# Altium PCB 3-as-manufactured.PcbDoc (part 12 of 16) (continued)
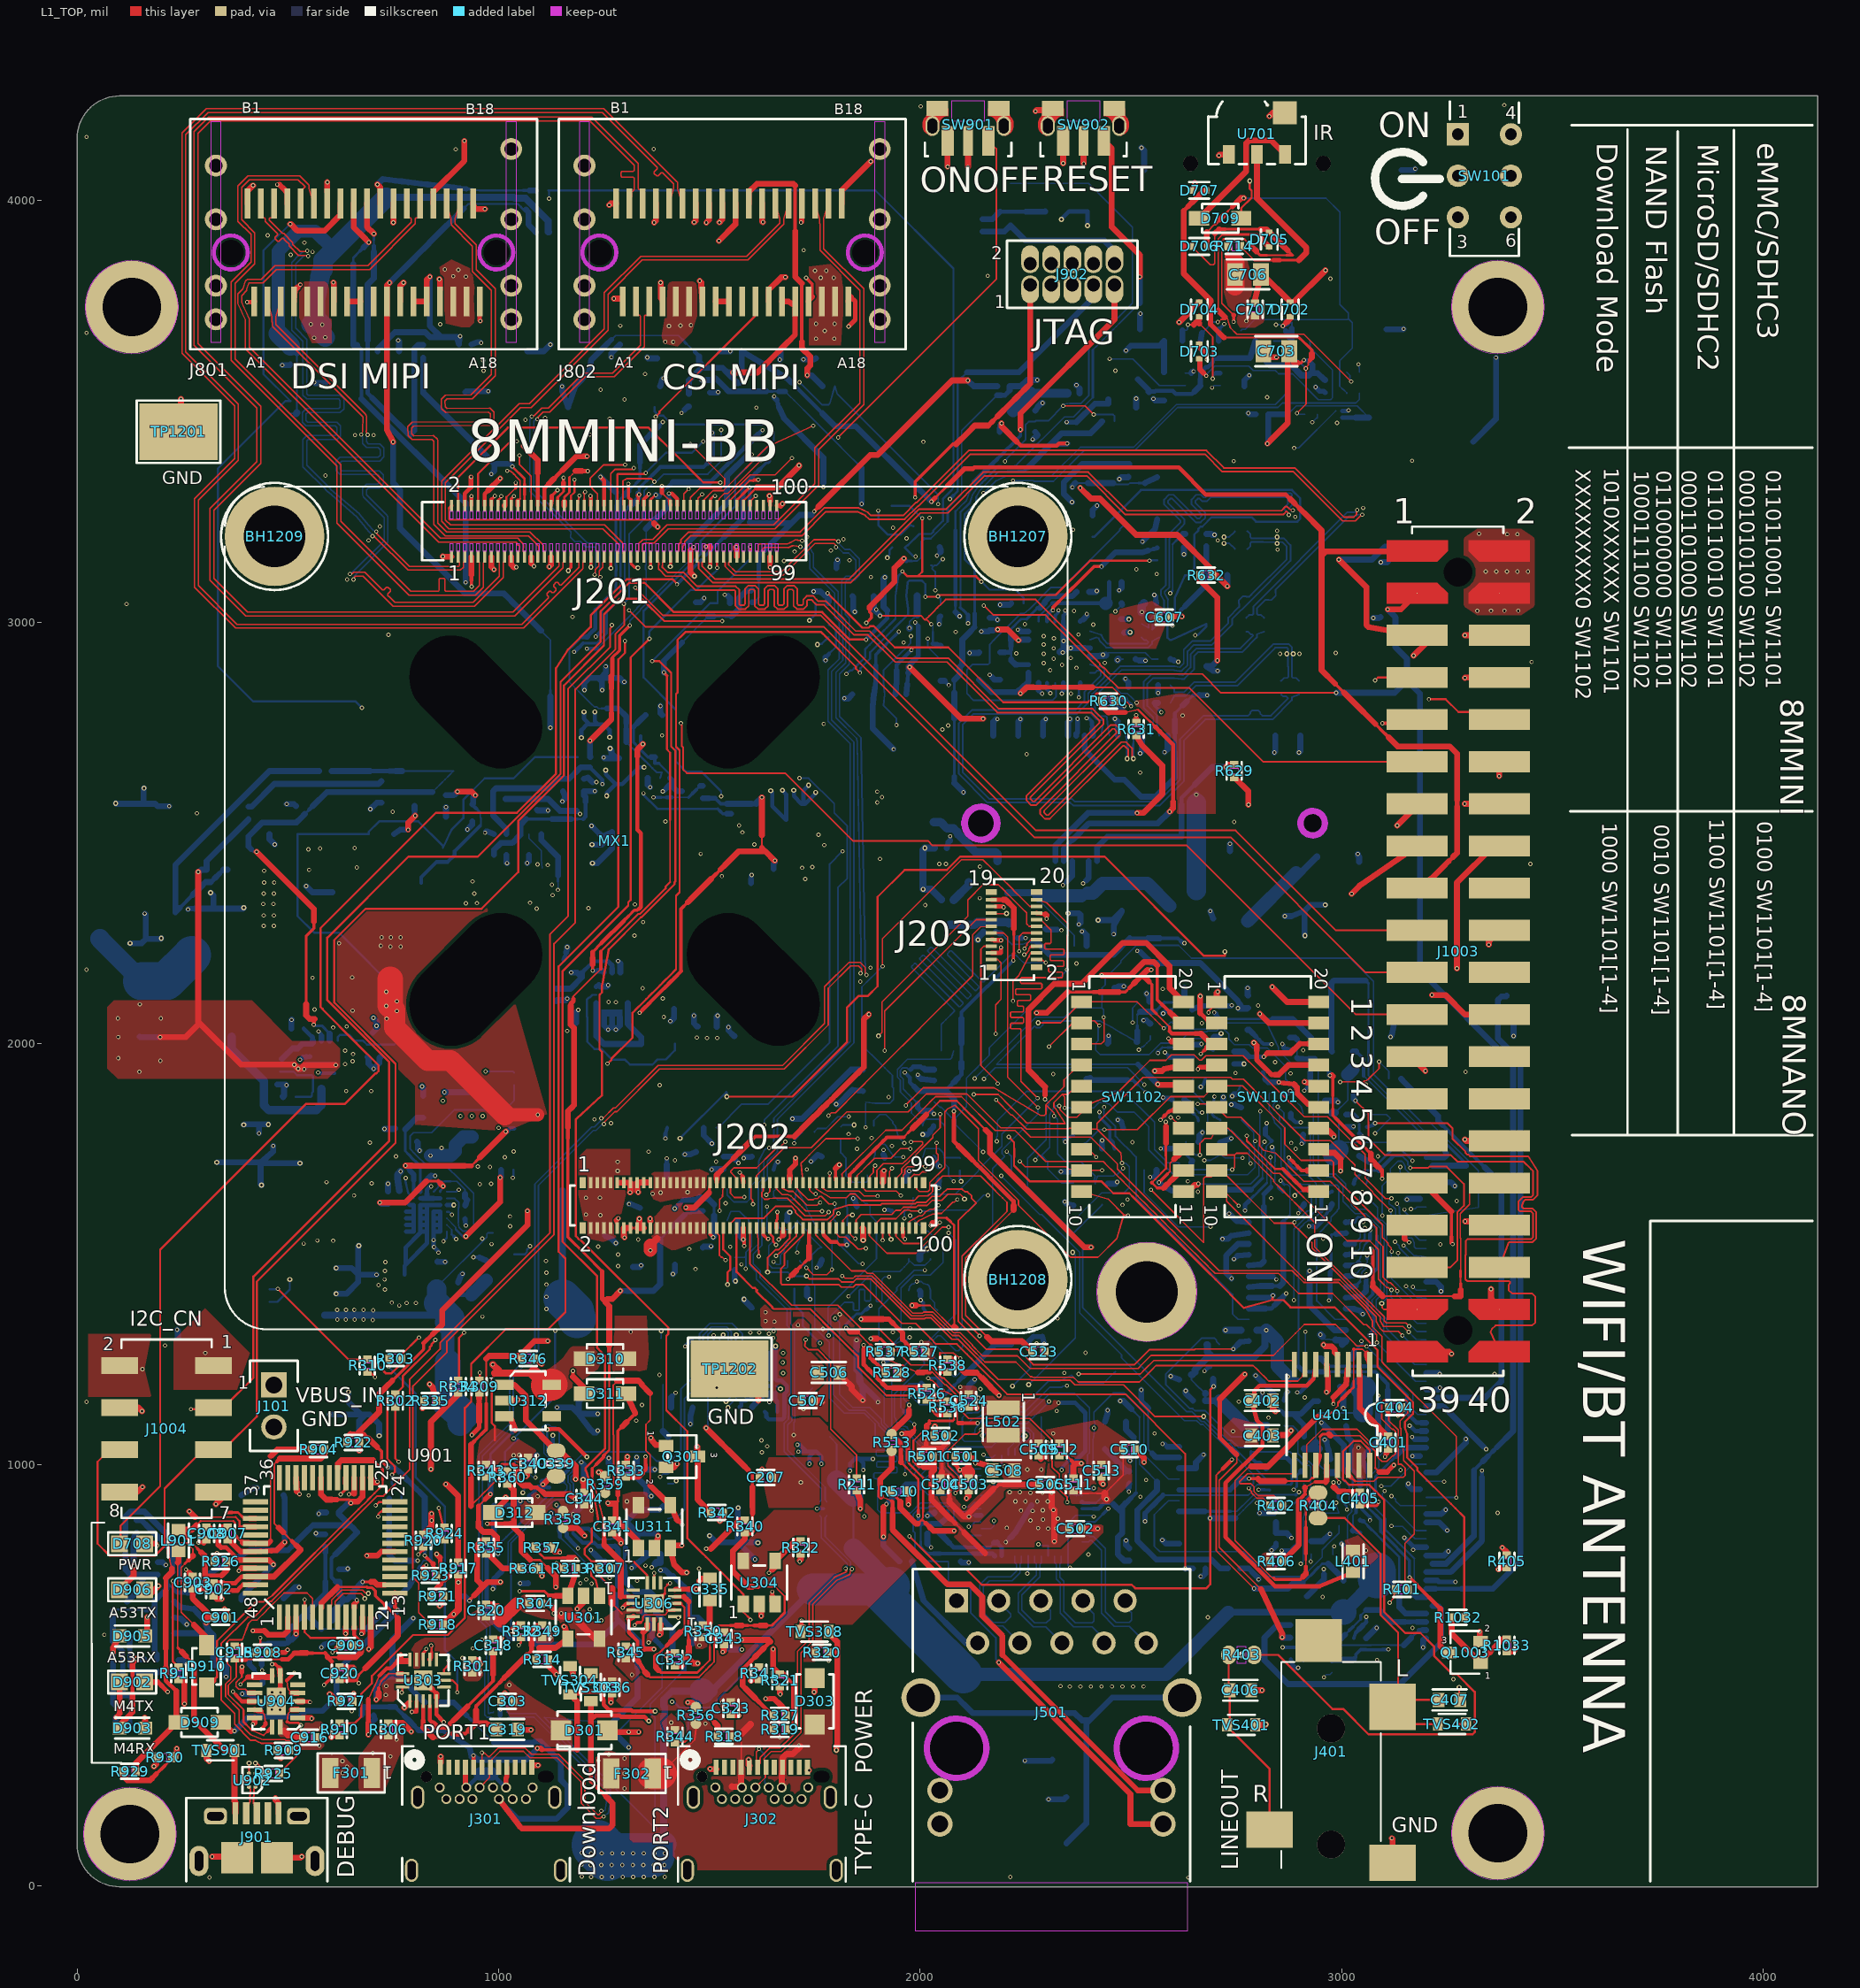
[diagram p0: L1_TOP view]
## Nets (pads, with @x,y where several pads share a name; then routed paths per layer and width w, separated by ;. In a path a pad name is that pad's centre, name@x,y a point inside that pad or via, vN(x,y) a via of type N, cw(c..) or ccw(c..) an arc to the next point about the centre after c; other vN are vias at no path point) (continued)
  L1_TOP w10.99: U303.14@760.51,504.27 U303.14@771.55,504.29
  L1_TOP w14.05: v1(709.33,443.01) 714.93,448.61 714.93,459.58
  L3_INT w7.92: 981.64,789.9 982.54,789 v1(998,789)
  L3_INT w14.05: v1(797.2,635.87) 797.2,636.82 950.28,789.9 981.64,789.9
  L8_BOT w3.5: 1124.14,934.75 1146.17,934.75 ; 1154.44,934.49 1162.05,942.09 1162.05,951 1155.6,957.45
  L8_BOT w3.83: 1155.6,957.45 1155.6,958.22
  L8_BOT w4.85: 996.85,807.46 1007.45,818.06 1018.06,828.67 1039.28,849.89 1049.89,860.49 1060.49,871.1 1081.71,892.32 1092.32,902.93 1102.92,913.53 1124.14,934.75 ; 1146.18,934.75 1146.44,934.49 1154.44,934.49 ; U308.C1@1151.7,962.11 1155.26,958.56 1155.6,958.22
  L8_BOT w12.01: 1135.94,967.13 U308.C2@1135.95,962.11 1140.98,962.13 ; 1135.94,972.83 U308.B2@1135.95,977.85 ; 1146.65,962.13 U308.C1@1151.7,962.11
  L8_BOT w13.03: v1(709.33,443.01) 709.33,474.4 732.02,497.1 747.63,497.1 ; 1135.94,967.13 1135.94,972.83 ; 1140.98,962.13 1146.65,962.13
  L8_BOT w14.05: v1(797.2,635.87) 747.63,586.3 747.63,497.1 772.01,497.1 790.19,478.91 790.19,470.05 821.27,438.97 822.27,438.97 824.24,437 R337.2@824.24,436 ; 996.85,807.46 996.85,790.15 v1(998,789)
USB1_CC2_CN: J301.B5 R337.1 TVS303.2 U308.B1 | length 2392.7
  L1_TOP w8.94: 1218.68,248.35 1244.32,222.71
  L1_TOP w9.96: 1218.68,248.35 1218.68,287.68 ; 1244.32,222.71 1255.41,211.62
  L1_TOP w10: 1218.68,394.32 1218.88,394.32 1229.56,405 1286.67,405 1289.67,402 1345.46,402 1355.46,392 v2(1356,392)
  L1_TOP w14.05: J301.B5@1000.45,206.75 1049.25,142.43 1054.81,136.87 1060.45,136.87 1261.77,136.87 1270,145.1 1270,197.03 1255.41,211.62 ; 1218.68,287.68 1218.68,394.32 TVS303.2@1218.68,438.8
  L3_INT w10: v2(1128,1070) 1182,1016 1182,1000.2 1202.01,980.19 1209.68,980.19 1363.87,825.99 1363.87,802.41 1397.79,768.49 1397.79,737.74 1370,709.95 1370,661.42 1370.64,660.78 1370.64,638.51 1396.48,612.66 1396.48,597.14 1409.95,583.67 1409.95,555.85 1412,553.8 1412,524.38 1355.14,467.53 1355.14,429.77 1356,428.91 v2(1356,392)
  L8_BOT w3.83: 934.23,394.73 988.48,340.49
  L8_BOT w5.87: 1011.97,197.52 1011.97,195.54 1023.5,184 1025.48,184 1049.49,160
  L8_BOT w6.9: J301.B5@1001.44,205.47 1011.97,197.52
  L8_BOT w7.92: 923.38,405.58 934.23,394.73
  L8_BOT w10: v2(1128,1070) 1128,1038.2 1164.7,1001.51 1164.7,988.22 1157.08,980.6 1154.45,980.6 U308.B1@1151.7,977.85
  L8_BOT w13.03: 988.48,340.49 1003.73,340.49 ; 1080.01,340.49 1081.91,340.49 1085.33,343.9 1095.26,343.9
  L8_BOT w14.05: R337.1@853.76,436 892.97,436 923.38,405.58 ; 1003.73,340.49 1080.01,340.49 ; 1049.49,160 1136.78,160 1163.31,186.52 1163.31,235.64 1147.44,251.51 1147.44,272.34 1147,272.78 1147,295.22 1098.31,343.9 1095.26,343.9
USB1_CN_DN: J301.A7 J301.B7 U307.A2 | length 840
  L1_TOP w3.5: J301.B7@954.68,234.31 978.37,258.01 978.37,275.34 J301.A7@979.78,276.75 ; J301.A7@979.78,282.15 983.84,286.21 983.84,301.1 1002.76,320.02 1058.54,320.02 1073.95,304.61 1138.19,304.61 1195.89,246.91 1195.89,196.53 1231.26,161.16 1241.2,161.16 1243.94,163.9 1247.55,163.9 v1(1248.79,165.14)
  L8_BOT w3.5: U307.A2@1018.99,413.4 1020.67,413.39 1024.29,409.78 1050.29,409.78 1050.35,409.71 1084.65,409.71 1085.04,410.1 1085.14,410.1 1085.27,410.1 1085.39,410.09 1085.51,410.08 1085.63,410.07 1085.75,410.05 1085.87,410.03 1085.99,410.01 1086.11,409.98 1086.23,409.95 1086.35,409.92 1086.46,409.88 1086.58,409.84 1086.69,409.8 1086.81,409.75 1086.92,409.71 1087.03,409.66 1087.14,409.6 1087.25,409.54 1087.35,409.49 1087.46,409.42 1087.56,409.36 1087.66,409.29 1087.76,409.22 1087.86,409.15 1087.96,409.07 1088.05,408.99 1088.14,408.91 1088.23,408.83 1088.32,408.75 1088.32,408.19 1262.68,233.83 1263.23,233.83 1263.31,233.76 1263.39,233.67 1263.47,233.58 1263.55,233.48 1263.62,233.39 1263.7,233.29 1263.77,233.19 1263.84,233.09 1263.9,232.99 1263.96,232.88 1264.02,232.77 1264.08,232.67 1264.13,232.56 1264.19,232.45 1264.23,232.33 1264.28,232.22 1264.32,232.11 1264.36,231.99 1264.4,231.88 1264.43,231.76 1264.46,231.64 1264.49,231.52 1264.51,231.4 1264.53,231.28 1264.55,231.16 1264.56,231.04 1264.58,230.92 1264.58,230.8 1264.59,230.67 1264.59,230.55 1264.2,230.16 1264.2,199 1264.59,198.61 1264.59,198.54 1264.59,198.42 1264.58,198.3 1264.57,198.17 1264.56,198.05 1264.54,197.93 1264.52,197.81 1263.18,190.15 1260.47,175.38 1260.46,175.32 1260.43,175.2 1260.4,175.08 1260.37,174.97 1260.34,174.85 1260.3,174.73 1260.26,174.62 1260.22,174.5 1260.17,174.39 1260.12,174.28 1260.07,174.17 1260.01,174.06 1259.95,173.95 1259.89,173.85 1259.83,173.74 1259.76,173.64 1259.69,173.54 1259.62,173.44 1259.55,173.35 1259.47,173.25 1259.39,173.16 1259.31,173.07 1259.23,172.98 1259.14,172.89 1259.05,172.81 1258.96,172.73 1258.87,172.65 1258.77,172.57 1258.68,172.5 1258.58,172.43 1258.48,172.36 1258.37,172.29 1258.27,172.23 1258.16,172.17 1258.06,172.11 1257.95,172.05 1257.84,172 1257.73,171.95 1247.77,167.71 v1(1248.79,165.14)
USB1_CN_DP: J301.A6 J301.B6 U307.A1 | length 896.7
  L1_TOP w3.5: v1(960,317) v1(960,317) ; J301.A6@960.09,282.15 960.05,282.19 v1(960,317) ; v1(1243.04,178.8) 1241.79,177.56 1241.79,173.77 1237.68,169.66 1234.78,169.66 1204.39,200.05 1204.39,250.43 1141.71,313.11 1077.47,313.11 1062.06,328.52 999.24,328.52 978.29,307.57 974.74,307.57 966.56,315.76 961.24,315.76 v1(960,317)
  L3_INT w3.5: v1(960,317) 959.6,316.6 959.6,305.41 976.44,288.57 976.44,245.8 985.3,236.93 J301.B6@985.3,233.44
  L8_BOT w3.5: U307.A1@1018.99,397.66 1020.67,397.66 1024.29,401.28 1046.77,401.28 1046.83,401.21 1082.73,401.21 1083.12,400.82 1083.67,400.82 1255.31,229.18 1255.31,228.63 1255.7,228.24 1255.7,199.4 1255.31,199.01 1254.05,191.79 1251.79,179.51 1244.13,176.24 v1(1243.04,178.8)
USB1_DN: J201.83 U307.C2 | length 3806.5
  L1_TOP w3.5: v1(1249.63,1808.66) 1250.88,1809.91 1250.88,1814.04 1275.22,1838.38 1280.35,1838.38 1381.4,1939.43 1677.09,1939.43 1781.64,2043.98 1781.64,2131.15 1834.68,2184.19 1853.84,2184.19 1861.13,2176.9 1861.13,2171.36 1858.18,2168.41 v1(1858.18,2166.65) ; J201.83@1532.7,3145.93 1537.1,3141.54 1537.1,3132.39 1558.42,3111.06 1674.75,3111.06 1750.84,3187.15 1794.65,3187.15 1798.76,3183.05 1798.76,3179.24 v1(1800,3178)
  L8_BOT w3.5: U307.C2@987.49,413.4 986.24,412.15 980.98,412.15 979.19,410.36 975.34,410.36 974.95,410.75 974.95,508.11 979.25,512.41 979.25,618.27 961.31,636.21 961.31,1020.97 1034.21,1093.86 1034.21,1209.19 1094.07,1269.05 1094.07,1663.36 1224.35,1793.64 1230.53,1793.64 1244.31,1807.42 1248.39,1807.42 v1(1249.63,1808.66) ; v1(1800,3178) 1801.24,3176.76 1804.86,3176.76 1817.48,3164.14 1830.06,3164.14 1847.59,3146.62 1847.59,3114.97 1841.45,3108.83 1823.65,3108.83 1813.56,3098.75 1813.56,3015.11 1822.87,3005.8 1822.87,2903.64 1800.05,2880.82 1800.05,2773.08 1848.79,2724.34 1848.79,2723.79 1850.25,2716.96 1860.45,2167.9 1859.43,2167.9 v1(1858.18,2166.65)
USB1_DP: J201.85 U307.C1 | length 3867.3
  L1_TOP w3.5: v1(1243.09,1822.35) 1244.33,1823.59 1248.41,1823.59 1271.7,1846.88 1276.83,1846.88 1377.88,1947.93 1673.57,1947.93 1773.14,2047.5 1773.14,2134.67 1831.16,2192.69 1857.36,2192.69 1869.63,2180.42 1869.63,2167.35 1872.5,2164.48 v1(1872.5,2162.72) ; J201.85@1549.22,3155.16 1549.23,3145.17 1545.6,3141.54 1545.6,3135.91 1561.94,3119.56 1671.23,3119.56 1747.31,3195.65 1798.17,3195.65 1800.89,3192.94 1804.51,3192.94 v1(1805.75,3191.69)
  L8_BOT w3.5: U307.C1@987.49,397.66 982.44,400.87 972.13,400.87 966.45,406.55 966.45,511.63 970.75,515.93 970.75,614.75 952.81,632.69 952.81,1024.49 1025.71,1097.38 1025.71,1212.71 1085.57,1272.57 1085.57,1666.88 1220.83,1802.14 1227.01,1802.14 1241.84,1816.97 1241.84,1821.1 v1(1243.09,1822.35) ; v1(1805.75,3191.69) 1807,3190.45 1807,3186.64 1821,3172.64 1833.58,3172.64 1856.09,3150.14 1856.09,3111.45 1844.97,3100.33 1827.17,3100.33 1822.06,3095.23 1822.06,3018.64 1831.37,3009.32 1831.37,2900.12 1808.55,2877.3 1808.55,2776.6 1859.43,2725.72 1859.43,2722.55 1869.82,2163.45 v1(1872.5,2162.72)
USB1_ID: J201.89
USB1_OTG_VBUS: C303.1 D301.C F301.1 J301.A4 J301.A9 J301.B4 J301.B9 R301.1 R306.1 | length 882.3
  L1_TOP w12: J301.A4@920.71,282.15 920.8,282.05 920.8,236.2 J301.B9@922.7,234.31 ; J301.B4@1017.17,234.31 1017.17,257.13 1019.07,259.03 1019.07,282.05 J301.A9@1019.16,282.15
  L3_INT w15: v1(757.42,347.72) 783.52,347.72 848.31,282.93 874.08,282.93 J301.B9@922.7,234.31
  L3_INT w20: J301.B9@922.7,234.31 922.7,276.08 921,277.78 921,317.87 940,336.87 1017.17,336.87 ; J301.B4@1017.17,234.31 1017.17,336.87 ; v1(1025,477.79) 1044,458.79 1044,401 1017.17,374.17 1017.17,336.87
  L8_BOT w10: J301.B9@922.7,233.05 923.33,233.68 955.87,266.22 ; 984.01,266.22 J301.B4@1017.19,233.05
  L8_BOT w31.31: 955.87,266.22 984,266.22
  other v1: 734,279 743,308 701,316 955.68,507.32
USB1_OTG_VBUS_F: C301.1 C302.1 D309.A F301.2 U302.C2 U302.C3 U302.C4 U302.C5 U302.D4 U302.D5 U302.E4 U302.E5 U302.F4 U302.F5 U302.G4 U302.G5 U303.15 | length 846.7
  L6_INT w17.83: 797.38,541.6 856.47,541.6 868.81,553.94 901.25,553.94 v1(913.6,541.6) 936,564 v1(938,564) 940,566 941,566 v1(960,585)
  L6_INT w29.68: v1(732,454) 732,474 v1(733,475) 733,477.22 797.38,541.6
  L8_BOT w3.5: v1(1362.95,756.97) 1362.95,757.39 1370.97,765.4
  L8_BOT w10: U302.C2@1593.39,1203.25 U302.C3@1609.14,1203.25 U302.C4@1624.88,1203.25 ; U302.C5@1640.5,1203.39 U302.D5@1640.5,1218.87 ; U302.C5@1640.63,1203.25 U302.C4@1624.88,1203.25 ; U302.D5@1640.63,1219 U302.D5@1640.5,1219 ; U302.E5@1640.63,1234.75 U302.E5@1640.5,1234.75 ; U302.F5@1640.63,1250.5 U302.F5@1640.5,1250.5 ; U302.G5@1640.63,1266.24 U302.G5@1640.5,1266.24 ; U302.C4@1624.88,1203.25 U302.D4@1624.88,1219 ; U302.D4@1624.88,1219 U302.D5@1640.5,1219 ; U302.D4@1624.88,1219 U302.E4@1624.88,1234.75 ; U302.E4@1624.88,1234.75 U302.F4@1624.88,1250.5 ; U302.E4@1624.88,1234.75 U302.E5@1640.5,1234.75 ; U302.F4@1624.88,1250.5 U302.G4@1624.88,1266.24 U302.G5@1640.5,1266.24 ; U302.F4@1624.88,1250.5 U302.F5@1640.5,1250.5 ; U302.D5@1640.5,1219 U302.E5@1640.5,1234.75 ; U302.E5@1640.5,1234.75 U302.F5@1640.5,1250.5 ; U302.F5@1640.5,1250.5 U302.G5@1640.5,1266.24
  L8_BOT w15: v1(1261.23,1016.29) 1261.23,1002.68 1288.73,975.18 C301.1@1301.83,975.18 ; v1(1327,1018) 1327,1000.35 C301.1@1315.65,989 ; v1(1361.9,925.9) 1359.12,925.9 1350.33,934.68 1350.33,947.68 1322.83,975.18 C301.1@1301.83,975.18 ; v1(1370,989) C301.1@1315.65,989 ; C301.1@1301.83,975.18 C301.1@1315.65,989
  L8_BOT w16: 1382.93,768.3 C302.1@1382.95,787.36
  L8_BOT w16.55: 1370.97,765.4 1373.87,768.3 1382.93,768.3
  other v1: 629.39,268.58 640,284 629,297 1328,725 1263,731 1347.96,760.74 1651,1301 1641,1311 1652,1317
USB1_VBUS: C215.1 J201.81 R307.2 U301.1 | length 2786.7
  L1_TOP w5: U301.1@1238.8,689.13 1230.32,725.91 1219.67,736.56 1219.67,771.31 ; R307.2@1266.83,754.16 1264.17,762.66 1261.52,771.15 1261.36,771.31 1219.67,771.31 ; v1(1357.37,2960.76) 1312.61,2916 1312.61,2340.76 1307.21,2335.35 1307.21,2327.21 1151,2171 1151,1530 1233.44,1447.56 1233.44,1277.62 1242.61,1268.45 1251.78,1259.27 1251.78,1038.12 1205.54,991.88 1205.54,986.36 1208.1,983.8 1212.1,970.16 1216.1,956.53 1220.1,942.89 1224.1,929.26 1228.11,915.63 1230.58,901.12 1233.06,886.61 1235.54,872.1 1235.54,863.52 1220.48,848.46 1220.48,817.46 1203.69,800.67 1203.69,787.3 1219.67,771.31 ; J201.81@1517.72,3155.16 1518.49,3155.93 J201.81@1518.49,3164.18 ; J201.81@1517.72,3155.16 1517.76,3129.24 v1(1518,3129)
  L8_BOT w5: v1(1357.37,2960.76) 1357.37,2978.33 1455.57,3076.54 1468.71,3076.54 1506.15,3113.97 1508.05,3113.97 1518,3123.92 v1(1518,3129)
USB1_VBUS_IN: C308.1 C309.1 C315.2 R315.1 R316.1 U302.C6 U302.D6 U302.E6 U302.F6 U302.G6 | length 521
  L8_BOT w10: C315.2@1631,1126 1635,1122 1635,1113.94 1640.94,1108 1672.83,1108 1677.52,1112.69 1677.52,1120.44 1678,1120.92 1678,1168.92 1683.49,1174.41 1683.49,1187.71 1670.7,1200.5 1659.13,1200.5 U302.C6@1656.38,1203.25 U302.D6@1656.38,1219 U302.E6@1656.38,1234.75 U302.F6@1656.38,1250.5 U302.G6@1656.38,1266.24 1656.62,1266.48 1656.62,1281.62 v2(1657,1282) ; v1(1708.54,1047.59) 1714.46,1047.59 1730.46,1031.59 R316.1@1748.77,1031.59 ; v1(1710.75,1031.44) R316.1@1748.62,1031.44 ; v1(1737.22,1002.27) 1737.22,1020.04 R316.1@1748.62,1031.44 ; v1(1765.49,1002.57) 1765.49,1020.04 1753.94,1031.59 R316.1@1749.72,1031.59 ; v1(1833.48,985.97) 1833.48,1003.44 1845.03,1014.99 R315.1@1849.25,1014.99 1854.45,1014.99 R315.1@1855.44,1014 ; R315.1@1851.19,1014 R315.1@1855.44,1014 ; v1(1865,988) 1865,1004.44 R315.1@1855.44,1014 ; v1(1888,1014) R315.1@1855.44,1014 ; R316.1@1748.62,1031.44 1749.57,1031.44 R316.1@1749.72,1031.59 ; R316.1@1748.62,1031.44 R316.1@1748.77,1031.59 ; R316.1@1748.77,1031.59 R316.1@1749.72,1031.59
  other v1: 1624,1030 1637,1044 1623,1058
  other v3: 1674.42,1217.85 1673.89,1243.09 1674.63,1265.45
USB2_CC1: R338.2 U306.13 U310.A2 | length 1768.8
  L1_TOP w7.92: v1(1329.39,560.78) 1329.39,569.31
  L1_TOP w8.94: 1308.71,634.53 1308.71,602.13 1329.39,581.45 1329.39,569.31
  L1_TOP w14.05: 1308.71,634.53 U306.13@1318.98,639.65
  L8_BOT w3.5: 1237.73,823.84 1265.61,823.84 1266.63,824.87 1294.5,824.87 1301.12,818.25 1301.12,817.12 ; R338.2@1268.65,387.09 1254.06,388.29 1239.47,389.5 1224.87,390.71 1210.27,391.91 1195.67,393.12 1181.08,394.33 1166.48,395.53 1151.88,396.74 1137.29,397.95 1122.69,399.16 1108.09,400.36 1108.08,400.25 1184.72,323.61 1250.42,257.91 1338.01,170.32 1370.86,137.47 1370.88,400.26 1367.88,403.25 1366.13,403.25 1359.25,410.13 1359.25,432.17 1386.91,459.83 1397.33,470.25 1407.74,480.66 1438.99,511.91
  L8_BOT w3.83: 1298.48,778.38 1298.48,767.58 1301.12,764.93 1301.12,761.94 ; 1301.12,803.32 1301.12,817.12
  L8_BOT w6.9: 1300.29,747.31 1301.12,748.15 1301.12,761.94 ; 1329.39,490.18 1329.39,504.3
  L8_BOT w7.92: U310.A2@1176.15,853.77 1178.33,855.96 1185.85,848.45 ; 1298.48,778.38 1298.48,786.89 1301.12,789.53 ; 1329.39,504.3 1329.39,518.42
  L8_BOT w8.94: 1185.85,848.45 1213.13,848.45 1221.33,840.25 1229.53,832.05 1237.73,823.84
  L8_BOT w12.01: 1300.29,747.31 1300.29,735.19 1301.12,734.35 ; 1301.12,789.53 1301.12,803.32
  L8_BOT w13.03: 1301.12,734.35 1301.12,720.56 1312.24,709.44 1323.37,698.31 1341.13,698.31 1341.38,698.56 1359.14,698.56 1368.23,689.48 1368.23,671.84 1371.12,668.95 1371.12,650.56 1378.98,642.7 1390.1,631.58 ; 1401.22,620.46 1412.35,609.33
  L8_BOT w14.05: R338.2@1268.65,387.09 1329.39,447.82 1329.39,490.18 ; 1329.39,518.42 v1(1329.39,560.78) ; 1390.1,631.58 1401.22,620.46 ; 1412.35,609.33 1412.35,559.39 1438.99,532.75 1438.99,511.91
USB2_CC1_CN: J302.A5 R338.1 TVS308.2 U310.A1 | length 1540.5
  L1_TOP w12.01: J302.A5@1595.02,277.5 J302.A5@1595.02,286.14
  L1_TOP w14.05: v1(1592.85,300.77) 1592.85,288.3 J302.A5@1595.02,286.14 ; TVS308.2@1782.85,604.53 1782.85,600.53 1803.1,580.28 1803.1,334.31 1801,332.21 v2(1801,323)
  L3_INT w10.99: v1(1308.2,329.32) 1318.14,319.39
  L3_INT w14.05: 1318.14,319.39 1578.27,319.39 1592.85,304.8 v1(1592.85,300.77)
  L6_INT w14.05: v1(1592.85,300.77) 1778.77,300.77 v2(1801,323)
  L8_BOT w3.5: R338.1@1275.16,359.53 1285.39,369.76 1336.55,420.91 1346.78,431.15 1357.01,441.38 1387.25,471.61 1387.25,552.45 1387.7,552.91 1387.7,568.04
  L8_BOT w8.94: U310.A1@1176.15,838.02 1199.13,815.04 1226.42,815.04 1234.5,806.96 1236.08,806.96
  L8_BOT w12.01: 1236.08,806.96 1274.54,806.96 1275,806.5 1275.72,806.5 ; R338.1@1268.65,357.57 R338.1@1275.16,359.53 ; 1363.56,592.19 1371.61,584.14 1379.66,576.09 1387.7,568.04
  L8_BOT w13.03: 1275.72,806.5 1282.08,800.14 1282.08,799.49 1282.59,798.97 ; 1282.59,713.19 1302.61,693.17 1312.77,683.01 1312.77,678.29 1363.56,627.5 1363.56,618.87 ; 1363.56,592.19 1363.56,605.53
  L8_BOT w14.05: R338.1@1268.65,357.57 1284.77,352.75 v1(1308.2,329.32) ; 1282.59,713.19 1282.59,798.97 ; 1363.56,605.53 1363.56,618.87
USB2_CC2: R339.2 U306.14 U310.B2 U310.C1 U310.C2 | length 1128.6
  L1_TOP w6.9: 1342.73,565.81 1342.73,603.26
  L1_TOP w7.92: 1342.73,565.81 1345.66,562.88
  L1_TOP w12.01: 1345.67,562.88 v1(1367.9,562.88)
  L1_TOP w14.05: 1342.73,603.26 1352.42,612.96 U306.14@1352.42,621.95
  L8_BOT w3.5: 1145.16,829.09 1166.49,807.75 1177.16,797.08 1214.51,759.74 ; 1214.51,758.26 1229.81,742.95 1239.79,732.98 1249.76,723 1279.69,693.07
  L8_BOT w7.92: 1342.38,572.51 1352.01,562.88
  L8_BOT w8.94: 1003.73,610.44 1014.63,599.55 1025.52,588.65 ; 1279.69,664.14 1279.69,693.07
  L8_BOT w9.96: 979.77,815.6 971.05,806.88 971.05,643.13 981.94,632.23 ; 1144.67,843.07 U310.C1@1144.66,838.02 1145.16,837.54 1145.16,829.09 ; 1155.35,853.78 U310.B2@1160.4,853.77 ; 1279.69,649.67 1279.69,664.14 ; 1332.75,582.14 1342.38,572.51
  L8_BOT w10.99: 979.77,815.6 988.48,824.32 ; 1279.69,635.2 1279.69,649.67
  L8_BOT w12.01: 1144.67,843.07 U310.C2@1144.66,853.77 1155.35,853.78 ; 1352.01,562.88 v1(1367.9,562.88)
  L8_BOT w13.03: 988.48,824.32 988.48,837.53 ; 988.48,850.74 988.48,863.95 ; 1279.69,635.2 1284.59,630.3
  L8_BOT w14.05: 981.94,632.23 992.84,621.34 1003.73,610.44 ; 988.48,837.53 988.48,850.74 ; 988.48,863.95 R339.2@988.48,903.58 ; 1025.52,588.65 1075.65,588.65 ; 1075.66,588.66 1090.95,573.36 1227.65,573.36 1284.59,630.3 1332.75,582.14 ; 1214.51,758.26 1214.51,759.74
USB2_CC2_CN: J302.B5 R339.1 TVS307.2 U310.B1 | length 1516.4
  L3_INT w5.87: 1196.94,808.3 1207.34,807.22
  L3_INT w6.9: v1(1188,802.13) 1188.84,802.13 1194.25,807.54 1196.18,807.54 1196.94,808.3 ; 1207.34,807.22 1217.64,817.51
  L3_INT w7.92: v1(1577.12,561.65) 1587.06,551.71 ; 1648.06,314.74 1674.84,287.96 1774.64,287.96 1810.47,252.13 1810.47,189.45 1795.68,174.66
  L3_INT w8.94: v1(1051.22,914) 1065.86,899.36 1068.94,899.36 1072.94,895.37 1083.29,885.02 1103.99,864.32 1114.34,853.97 1124.69,843.62 1145.39,822.92 1155.74,812.57 1168,812.57 ; 1376.81,765.03 1376.81,757.27 1383.79,750.29 v1(1383.79,750) ; 1616.88,345.93 1648.06,314.74 ; J302.B5@1654.68,206.75 1686.77,174.66 1795.68,174.66
  L3_INT w13.03: 1180.26,812.57 1188,804.83 v1(1188,802.13)
  L3_INT w14.05: 1168,812.57 1180.26,812.57 ; 1217.64,817.51 1221.42,817.51 1246.93,792 1353.03,792 1376.81,768.23 1376.81,765.03 ; 1587.06,551.71 1616.88,521.89 1616.88,345.93
  L8_BOT w8.94: 1568.63,561.65 v1(1577.12,561.65)
  L8_BOT w9.96: U310.B1@1160.4,838.02 1161.47,836.96 1161.47,829.54 1170.82,820.19 1170.82,819.31 v1(1188,802.13)
  L8_BOT w12.01: 1413.79,736.09 1423.07,726.81 ; 1441.64,708.24 1450.93,698.96 1450.93,683.69
  L8_BOT w13.03: 1423.07,726.81 1432.36,717.52
  L8_BOT w14.05: R339.1@1018,903.58 1040.8,903.58 v1(1051.22,914) ; v1(1383.79,750) 1395.04,750 1408.95,736.09 1413.79,736.09 ; 1432.36,717.52 1441.64,708.24 ; 1450.93,683.69 TVS307.2@1450.91,637.88 1472.31,637.87 1548.53,561.65 1568.63,561.65
USB2_CN_DN: J302.A7 J302.B7 U309.A2 | length 796
  L1_TOP w3.5: J302.B7@1608.9,234.31 1632.6,258.01 1632.6,275.71 1634.39,277.5 1629.85,282.04 1629.85,299.5 1629.19,300.16 1629.19,302.22 1646.47,319.51 1670.4,319.51 1681.58,330.68 1682.72,330.68 1717.19,365.15 1717.19,553.71 1744.96,581.47 1744.96,669.14 1801.52,725.7 1802.07,725.7 1816.56,732.32 1831.06,738.94 1831.17,738.99 1831.27,739.05 1831.38,739.11 1831.49,739.17 1831.59,739.23 1831.69,739.3 1831.8,739.36 1831.89,739.44 1831.99,739.51 1832.09,739.59 1832.18,739.67 1832.27,739.75 1832.36,739.83 1832.44,739.92 1832.53,740 1832.61,740.1 1832.69,740.19 1832.77,740.28 1832.84,740.38 1832.91,740.48 1832.98,740.58 1833.05,740.68 1833.11,740.78 1833.17,740.89 1833.23,741 1833.29,741.11 1833.34,741.22 1833.39,741.33 1833.44,741.44 1833.48,741.55 1833.52,741.67 1833.56,741.78 1833.59,741.9 1833.63,742.02 1833.65,742.14 1833.68,742.26 1833.7,742.38 1833.72,742.5 1833.73,742.61 1834.95,752.75 v1(1837.72,752.42)
  L8_BOT w3.5: U309.A2@1777.87,880.25 1777.87,878.57 1774.25,874.95 1774.25,829.86 1834.59,769.52 1834.59,757.3 1837.72,754.17 v1(1837.72,752.42)
USB2_CN_DP: J302.A6 J302.B6 U309.A1 | length 893.8
  L1_TOP w3.5: v1(1617.41,325.82) 1617.41,324.31 1611.35,318.25 1611.35,280.86 1614.7,277.5 1616.17,281.46 1619.91,291.53 1620,303.72 1620,303.79 1620.01,303.92 1620.01,304.04 1620.02,304.16 1620.04,304.28 1620.06,304.4 1620.08,304.52 1620.1,304.64 1620.13,304.76 1620.16,304.88 1620.19,305 1620.22,305.11 1620.26,305.23 1620.31,305.34 1620.35,305.46 1620.4,305.57 1620.45,305.68 1620.5,305.79 1620.56,305.9 1620.62,306 1620.68,306.11 1620.75,306.21 1620.81,306.31 1620.88,306.41 1620.96,306.51 1621.03,306.6 1621.11,306.7 1621.19,306.79 1621.27,306.88 1621.36,306.97 1621.91,306.97 1642.95,328.01 1666.88,328.01 1678.06,339.18 1679.2,339.18 1708.69,368.67 1708.69,557.23 1736.46,585 1736.46,672.66 1795.28,731.48 1795.28,732.03 1796.1,732.85 1796.15,732.9 1796.24,732.98 1796.33,733.06 1796.42,733.14 1796.52,733.22 1796.61,733.29 1796.71,733.37 1796.81,733.43 1796.92,733.5 1797.02,733.56 1797.13,733.62 1797.23,733.68 1797.34,733.74 1797.45,733.79 1811.14,740.04 1824.83,746.3 1825.73,753.85 v1(1822.97,754.18)
  L8_BOT w3.5: v1(1617.41,325.82) 1631.04,312.18 1631.04,246.18 1640.3,236.93 J302.B6@1640.3,233.8 ; U309.A1@1762.13,880.25 1762.13,878.57 1765.75,874.95 1765.75,826.34 1826.09,766 1826.09,759.06 1822.97,755.94 v1(1822.97,754.18)
USB2_DN: J201.93 U309.C2 | length 2676.8
  L1_TOP w3.5: J201.93@1612.21,3155.16 1615.46,3169.2 1615.46,3181.3 1615.54,3181.38 1615.54,3181.44 1615.54,3181.56 1615.55,3181.68 1615.56,3181.8 1615.57,3181.92 1615.59,3182.05 1615.61,3182.17 1615.63,3182.29 1615.66,3182.4 1615.69,3182.52 1615.72,3182.64 1615.76,3182.76 1615.79,3182.87 1615.84,3182.99 1615.88,3183.1 1615.93,3183.21 1615.98,3183.32 1616.03,3183.43 1616.09,3183.54 1616.15,3183.65 1616.21,3183.75 1616.27,3183.86 1616.34,3183.96 1616.41,3184.06 1616.48,3184.16 1616.56,3184.25 1616.64,3184.35 1616.72,3184.44 1616.8,3184.53 1616.88,3184.62 1616.97,3184.7 1617.06,3184.78 1617.15,3184.87 1617.25,3184.94 1617.34,3185.02 1617.44,3185.09 1617.54,3185.16 1617.64,3185.23 1617.74,3185.3 1617.85,3185.36 1617.95,3185.42 1618.06,3185.48 1618.17,3185.53 1618.28,3185.58 1618.39,3185.63 1618.51,3185.68 1618.62,3185.72 1618.74,3185.76 1618.85,3185.79 1618.97,3185.83 1619.09,3185.86 1619.21,3185.88 1619.33,3185.91 1619.45,3185.93 1619.57,3185.95 1619.69,3185.96 1619.81,3185.97 1619.93,3185.98 1620.05,3185.98 1620.18,3185.99 1624.79,3185.99 1625.18,3185.6 1665.21,3185.6 1684.32,3185.6 1684.71,3185.99 1692.1,3189.38 1703.33,3195.21 1709.03,3195.21 1710,3194.24 1718.76,3194.24 v1(1720,3193)
  L8_BOT w3.5: v1(1720,3193) 1721.24,3191.76 1726.76,3191.76 1734.92,3183.6 1739,3175.27 1744.72,3165.2 1746.79,3163.14 1746.79,3130.44 1805.18,3072.05 1805.18,3014.3 1816.37,3003.11 1816.37,2909.54 1789.79,2882.96 1789.79,2767.99 1842.48,2715.3 1842.48,2001.21 1660.96,1819.69 1660.96,1743.42 1637.49,1719.95 1637.49,1678.96 1624.25,1665.72 1624.25,1520.65 1603.89,1500.29 1603.89,1476.88 1619.96,1460.82 1619.96,1444.61 1692.44,1372.14 1692.44,1334.22 1701.74,1324.92 1701.74,1166.85 1696.25,1161.36 1696.25,1113.36 1695.77,1112.88 1695.77,1105.13 1685.84,1095.2 1685.84,1035.24 1774.25,946.84 1774.25,917.05 1777.87,913.43 U309.C2@1777.87,911.75
USB2_DP: J201.95 U309.C1 | length 2625.6
  L1_TOP w3.5: 1624.74,3169.18 1624.74,3167.41 1625.71,3167.41 J201.95@1626.1,3167.02 ; 1624.76,3169.2 1624.76,3170.91 1627.2,3173.34 1627.2,3174.64 1629.65,3177.1 1661.69,3177.1 1686.18,3177.1 1686.57,3176.71 ; 1686.62,3176.72 1686.74,3176.75 1686.85,3176.79 1686.97,3176.83 1687.08,3176.87 1687.19,3176.92 1687.31,3176.96 1689.44,3177.95 1696.08,3181 1696.19,3181.05 1696.28,3181.09 1697.55,3181.76 1700.41,3181.76 v1(1715.36,3178.89)
  L8_BOT w3.5: v1(1715.36,3178.89) 1729.74,3173.33 1731.2,3171.87 1731.42,3171.43 1731.48,3171.32 1731.53,3171.21 1736.72,3162.08 1738.29,3159.05 1738.29,3126.92 1796.68,3068.53 1796.68,3010.78 1807.87,2999.59 1807.87,2913.06 1781.29,2886.48 1781.29,2764.47 1833.98,2711.78 1833.98,2004.73 1652.46,1823.21 1652.46,1746.94 1628.99,1723.47 1628.99,1682.48 1615.75,1669.24 1615.75,1524.17 1595.39,1503.82 1595.39,1473.36 1611.46,1457.29 1611.46,1441.09 1683.94,1368.62 1683.94,1330.7 1693.24,1321.4 1693.24,1170.37 1687.75,1164.88 1687.75,1116.88 1687.27,1116.4 1687.27,1108.65 1677.34,1098.72 1677.34,1031.72 1765.75,943.32 1765.75,917.05 1762.13,913.43 U309.C1@1762.13,911.75
USB2_ID: J201.99
USB2_OTG_VBUS: C323.1 D303.C F302.1 J302.A4 J302.A9 J302.B4 J302.B9 R319.1 R356.1 | length 447.2
  L1_TOP w3.5: 1385.02,267.54 1464.68,347.21 1467.72,372.95 ; J302.A4@1575.33,277.5 1575.33,362.13
  L1_TOP w15: 1552.76,236.56 1553.35,235.96 J302.B9@1575.28,235.96 ; 1574.94,264.43 1575.28,264.09 J302.B9@1575.28,235.96 ; J302.B9@1576.93,234.31 J302.B9@1575.28,235.96 ; J302.B4@1671.79,233.8 1671.79,246.89 1671.76,263.5 J302.A9@1673.76,277.5 ; J302.A9@1673.39,282.15 1673.39,305.17 1681.87,313.65 1697.68,313.65 v1@1715.33,331.3
  L1_TOP w16.55: 1575.33,362.13 1597.28,384.08
  L1_TOP w75.61: F302.1@1365.45,267.54 1385.02,267.54
  other v1: 1711.83,333.66 1666.87,353.47 1490.3,385.81 1530.46,436.54
USB2_OTG_VBUS_F: C321.1 C322.1 D308.A F302.2 U305.C2 U305.C3 U305.C4 U305.C5 U305.D4 U305.D5 U305.E4 U305.E5 U305.F4 U305.F5 U305.G4 U305.G5 U306.15 | length 452.8
  L8_BOT w10: C321.1@776.23,1451.43 776.23,1472.43 C321.1@779.33,1475.53 ; U305.C2@860.97,1616.59 U305.C3@845.22,1616.59 U305.C4@829.48,1616.59 ; C321.1@779.33,1475.53 829.48,1525.68 U305.G4@829.48,1553.6 ; C321.1@779.33,1475.53 779.33,1516.57 813.73,1550.97 U305.G5@813.73,1553.6 ; U305.G5@813.73,1553.6 U305.G4@829.48,1553.6 ; U305.G5@813.73,1553.6 U305.F5@813.73,1569.34 ; U305.F5@813.73,1569.34 U305.F4@829.48,1569.34 ; U305.F5@813.73,1569.34 U305.E5@813.73,1585.09 ; U305.E5@813.73,1585.09 U305.E4@829.48,1585.09 ; U305.E5@813.73,1585.09 U305.D5@813.73,1600.84 ; U305.D5@813.73,1600.84 U305.D4@829.48,1600.84 ; U305.D5@813.73,1600.84 U305.C5@813.73,1616.59 U305.C4@829.48,1616.59 ; U305.G4@829.48,1553.6 U305.F4@829.48,1569.34 ; U305.F4@829.48,1569.34 U305.E4@829.48,1585.09 ; U305.E4@829.48,1585.09 U305.D4@829.48,1600.84 ; U305.D4@829.48,1600.84 U305.C4@829.48,1616.59
  other v1: 1260.89,312.54 1355.52,578.51 1243,631 1207.49,727.83 803,1384
  other v3: 1298.25,232.04 1298.25,267.54 1236.43,298.55 1298.25,303.04 1220,637 1215.94,657.33 1220.37,717.86 1193.48,719.12 764,1378 781,1384 746,1385 730,1416 729,1440 730,1460 731,1481
USB2_VBUS: C216.1 J201.91 R320.2 U304.1 | length 3233.7
  L1_TOP w5: v1(1363.87,2907.71) 1381.02,2907.71 1409.15,2879.58 1409.15,2704.78 1419,2694.93 1419,2385 1417.18,2383.18 1417.18,2378.41 1338.36,2299.59 1337.22,2299.59 1261.84,2224.21 1260.77,2223.14 1260.5,2221.66 1258.12,2208.77 1255.47,2194.4 1252.82,2180.04 1250.17,2165.67 1247.51,2151.3 1244.86,2136.93 1244.86,2121.25 1239,2115.39 1239,1985.98 1244.86,1980.12 1244.86,1948.76 1244.86,1876.86 1184.39,1821.42 1182.77,1819.8 1182.77,1817.73 1182.77,1542.88 1190.92,1534.73 1193,1534.73 1402.47,1325.26 1402.47,1311.16 1397.5,1306.19 1397.5,1129.4 1447.35,1079.56 1447.35,949.76 1447.35,825.84 1458.44,814.75 1480.64,792.55 1491.73,781.46 1513.93,759.26 1525.02,748.17 1558.31,714.88 1569.41,703.78 1580.51,692.68 U304.1@1580.51,669.77 1580.51,650.27 1597.05,633.73 v1(1597.05,631.64) ; J201.91@1596.46,3155.16 1596.61,3155.32 v1(1596.61,3178.66) ; R320.2@1781.08,554.96 1781.08,537.01 v1(1783,535.09)
  L3_INT w5: v1(1597.05,631.64) 1607.36,631.64 1703.91,535.09 v1(1783,535.09)
  L8_BOT w5: v1(1363.87,2907.71) 1501.32,3045.16 C216.1@1519.31,3045.18 1519.31,3073.26 1596.61,3150.56 v1(1596.61,3178.66)
USB2_VBUS_IN: C325.1 C326.1 C330.2 R323.1 R325.1 U305.C6 U305.D6 U305.E6 U305.F6 U305.G6 | length 490.2
  L6_INT w17.83: 759.77,1636.98 759.77,1689.66 766.68,1696.57 v1(766.84,1696.57) ; 766.09,1632.13 841.89,1707.94 v1@950.43,1707.94
  L6_INT w56.83: 759.77,1636.98 764.61,1632.13
  L6_INT w70.4: 764.61,1632.13 766.09,1632.13
  L6_INT w97.54: v1@950.43,1707.94 v1(950.5,1708.01)
  L8_BOT w10: 780.35,1553.6 U305.G6@797.98,1553.6 U305.F6@797.98,1569.34 ; 780.35,1569.34 U305.F6@797.98,1569.34 ; 780.35,1585.09 U305.E6@797.98,1585.09 ; 780.35,1600.84 U305.D6@797.98,1600.84 ; 780.35,1625.13 788.89,1616.59 U305.C6@797.98,1616.59 U305.D6@797.98,1600.84 ; U305.F6@797.98,1569.34 U305.E6@797.98,1585.09 ; U305.E6@797.98,1585.09 U305.D6@797.98,1600.84
  L8_BOT w16.55: 763.83,1650.74 759.71,1680.14 759.71,1688.14 760.82,1689.8 v1(766.84,1696.57)
  other v1: 569.43,1532.42 656.58,1639.13
  other v3: 537,1525 607,1532 955,1666 982,1667 698,1668 591,1671 979,1707 1014,1730 756,1732 1035,1744 694,1765
USB_DBG_DN: J901.2 U902.A2 | length 66.5
  L1_TOP w3.5: J901.2@400.54,173.02 404.63,186.35 408.71,199.66 409.46,200.41 409.46,216.4 410.63,217.57 410.63,230.74 407.01,234.36 U902.A2@407.01,236.04